# KiCad board Mioke80.kicad_pcb (continued)
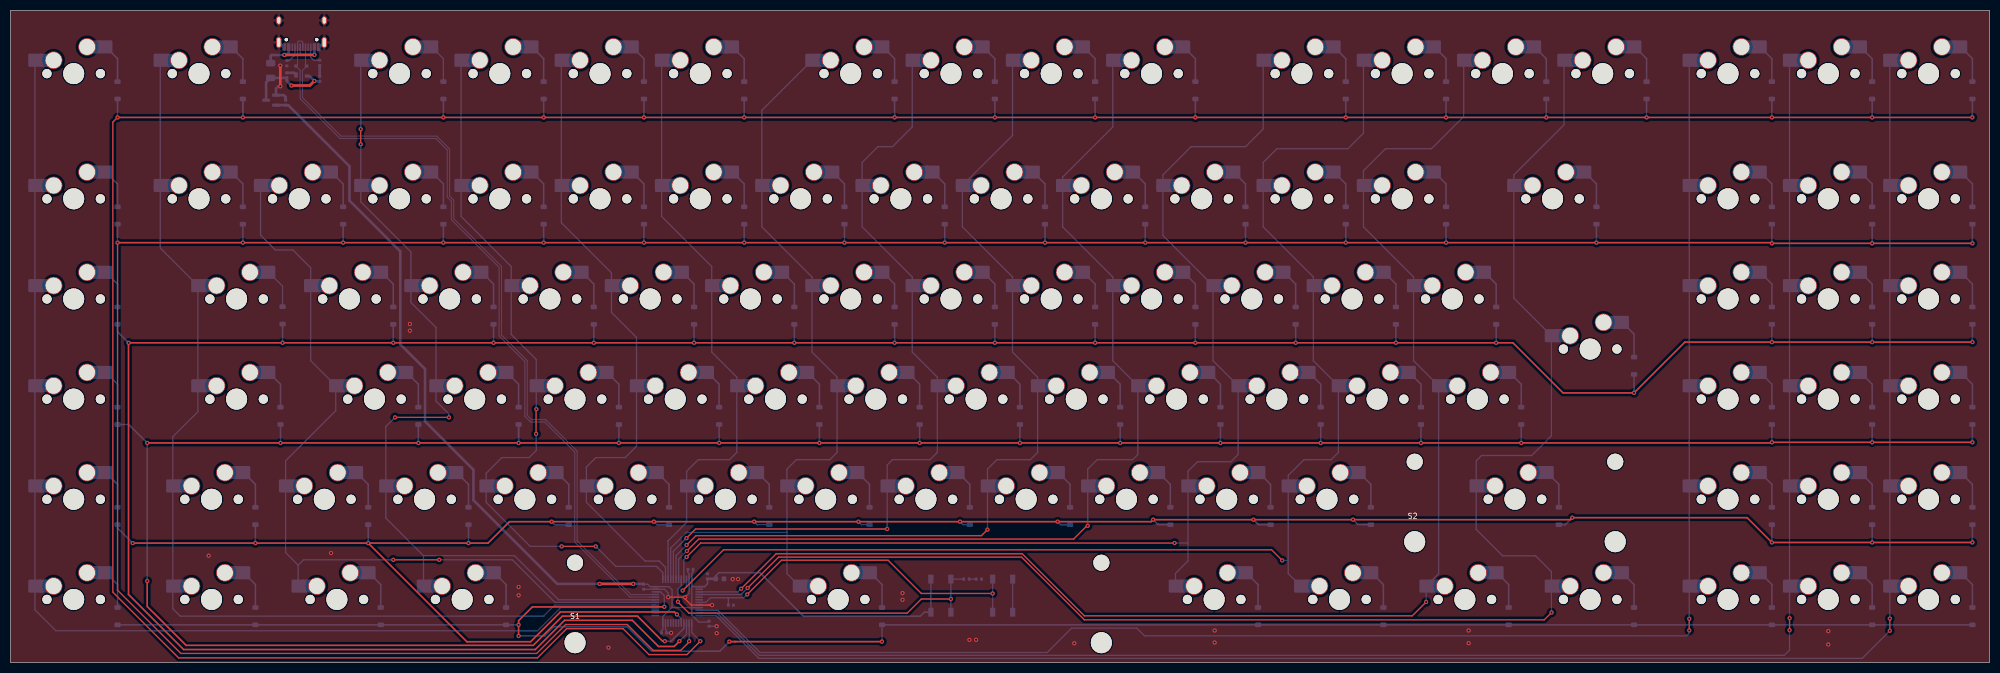
[diagram p0: board, top side]
## Nets
+3V3: BOOT1.1 C2.1 C3.1 C4.1 C5.1 C6.1 C7.1 C10.1 U1.1 U1.9 U1.24 U1.36 U1.48 U3.2
+5V: C8.1 C9.1 F1.2 U2.4 U3.3
GND: C1.2 C2.2 C3.2 C4.2 C5.2 C6.2 C7.2 C8.2 C9.2 C10.2 J1.A1 J1.A12 J1.B1 J1.B12 J1.S1 R1.1 R2.2 R4.2 RST1.2 U1.8 U1.23 U1.35 U1.47 U2.1 U3.1
VBUS: F1.1 J1.A4 J1.A9 J1.B4 J1.B9
BOOT0: BOOT1.2 R3.1 U1.44
COL0: MX1.1 MX18.1 MX36.1 MX54.1 MX71.1 MX88.1 U1.28
COL1: MX2.1 MX19.1 MX37.1 MX55.1 MX72.1 MX89.1 U1.29
COL2: MX20.1 MX38.1 MX56.1 MX73.1 MX90.1 U1.30
COL3: MX3.1 MX21.1 MX39.1 MX57.1 MX74.1 MX91.1 U1.31
COL4: MX4.1 MX22.1 MX40.1 MX58.1 MX75.1 U1.37
COL5: MX5.1 MX23.1 MX41.1 MX59.1 MX76.1 U1.38
COL6: MX6.1 MX24.1 MX42.1 MX60.1 MX77.1 U1.39
COL7: MX7.1 MX25.1 MX43.1 MX61.1 MX78.1 MX92.1 U1.40
COL8: MX8.1 MX26.1 MX44.1 MX62.1 MX79.1 U1.41
COL9: MX9.1 MX27.1 MX45.1 MX63.1 MX80.1 U1.42
COL10: MX10.1 MX28.1 MX46.1 MX64.1 MX81.1 U1.43
COL11: MX11.1 MX29.1 MX47.1 MX65.1 MX82.1 MX93.1 U1.45
COL12: MX12.1 MX30.1 MX48.1 MX66.1 MX83.1 MX94.1 U1.46
COL13: MX13.1 MX31.1 MX49.1 MX67.1 MX95.1 U1.3
COL14: MX14.1 MX32.1 MX50.1 MX84.1 MX96.1 U1.4
COL15: MX15.1 MX33.1 MX51.1 MX68.1 MX85.1 MX97.1 U1.10
COL16: MX16.1 MX34.1 MX52.1 MX69.1 MX86.1 MX98.1 U1.11
COL17: MX17.1 MX35.1 MX53.1 MX70.1 MX87.1 MX99.1 U1.12
D+: J1.A6 J1.B6 U1.33 U2.3
D-: J1.A7 J1.B7 U1.32 U2.2
NRST: C1.1 RST1.1 U1.7
ROW0: D1.1 D2.1 D3.1 D4.1 D5.1 D6.1 D7.1 D8.1 D9.1 D10.1 D11.1 D12.1 D13.1 D14.1 D15.1 D16.1 D17.1 U1.13
ROW1: D18.1 D19.1 D20.1 D21.1 D22.1 D23.1 D24.1 D25.1 D26.1 D27.1 D28.1 D29.1 D30.1 D31.1 D32.1 D33.1 D34.1 D35.1 U1.14
ROW2: D36.1 D37.1 D38.1 D39.1 D40.1 D41.1 D42.1 D43.1 D44.1 D45.1 D46.1 D47.1 D48.1 D49.1 D50.1 D51.1 D52.1 D53.1 U1.15
ROW3: D54.1 D55.1 D56.1 D57.1 D58.1 D59.1 D60.1 D61.1 D62.1 D63.1 D64.1 D65.1 D66.1 D67.1 D68.1 D69.1 D70.1 U1.16
ROW4: D71.1 D72.1 D73.1 D74.1 D75.1 D76.1 D77.1 D78.1 D79.1 D80.1 D81.1 D82.1 D83.1 D84.1 D85.1 D86.1 D87.1 U1.17
ROW5: D88.1 D89.1 D90.1 D91.1 D92.1 D93.1 D94.1 D95.1 D96.1 D97.1 D98.1 D99.1 U1.34
Net-(D1-A): D1.2 MX1.2
Net-(D2-A): D2.2 MX2.2
Net-(D3-A): D3.2 MX3.2
Net-(D4-A): D4.2 MX4.2
Net-(D5-A): D5.2 MX5.2
Net-(D6-A): D6.2 MX6.2
Net-(D7-A): D7.2 MX7.2
Net-(D8-A): D8.2 MX8.2
Net-(D9-A): D9.2 MX9.2
Net-(D10-A): D10.2 MX10.2
Net-(D11-A): D11.2 MX11.2
Net-(D12-A): D12.2 MX12.2
Net-(D13-A): D13.2 MX13.2
Net-(D14-A): D14.2 MX14.2
Net-(D15-A): D15.2 MX15.2
Net-(D16-A): D16.2 MX16.2
Net-(D17-A): D17.2 MX17.2
Net-(D18-A): D18.2 MX18.2
Net-(D19-A): D19.2 MX19.2
Net-(D20-A): D20.2 MX20.2
Net-(D21-A): D21.2 MX21.2
Net-(D22-A): D22.2 MX22.2
Net-(D23-A): D23.2 MX23.2
Net-(D24-A): D24.2 MX24.2
Net-(D25-A): D25.2 MX25.2
Net-(D26-A): D26.2 MX26.2
Net-(D27-A): D27.2 MX27.2
Net-(D28-A): D28.2 MX28.2
Net-(D29-A): D29.2 MX29.2
Net-(D30-A): D30.2 MX30.2
Net-(D31-A): D31.2 MX31.2
Net-(D32-A): D32.2 MX32.2
Net-(D33-A): D33.2 MX33.2
Net-(D34-A): D34.2 MX34.2
Net-(D35-A): D35.2 MX35.2
Net-(D36-A): D36.2 MX36.2
Net-(D37-A): D37.2 MX37.2
Net-(D38-A): D38.2 MX38.2
Net-(D39-A): D39.2 MX39.2
Net-(D40-A): D40.2 MX40.2
Net-(D41-A): D41.2 MX41.2
Net-(D42-A): D42.2 MX42.2
Net-(D43-A): D43.2 MX43.2
Net-(D44-A): D44.2 MX44.2
Net-(D45-A): D45.2 MX45.2
Net-(D46-A): D46.2 MX46.2
Net-(D47-A): D47.2 MX47.2
Net-(D48-A): D48.2 MX48.2
Net-(D49-A): D49.2 MX49.2
Net-(D50-A): D50.2 MX50.2
Net-(D51-A): D51.2 MX51.2
Net-(D52-A): D52.2 MX52.2
Net-(D53-A): D53.2 MX53.2
Net-(D54-A): D54.2 MX54.2
Net-(D55-A): D55.2 MX55.2
Net-(D56-A): D56.2 MX56.2
Net-(D57-A): D57.2 MX57.2
Net-(D58-A): D58.2 MX58.2
Net-(D59-A): D59.2 MX59.2
Net-(D60-A): D60.2 MX60.2
Net-(D61-A): D61.2 MX61.2
Net-(D62-A): D62.2 MX62.2
Net-(D63-A): D63.2 MX63.2
Net-(D64-A): D64.2 MX64.2
Net-(D65-A): D65.2 MX65.2
Net-(D66-A): D66.2 MX66.2
Net-(D67-A): D67.2 MX67.2
Net-(D68-A): D68.2 MX68.2
Net-(D69-A): D69.2 MX69.2
Net-(D70-A): D70.2 MX70.2
Net-(D71-A): D71.2 MX71.2
Net-(D72-A): D72.2 MX72.2
Net-(D73-A): D73.2 MX73.2
Net-(D74-A): D74.2 MX74.2
Net-(D75-A): D75.2 MX75.2
Net-(D76-A): D76.2 MX76.2
Net-(D77-A): D77.2 MX77.2
Net-(D78-A): D78.2 MX78.2
Net-(D79-A): D79.2 MX79.2
Net-(D80-A): D80.2 MX80.2
Net-(D81-A): D81.2 MX81.2
Net-(D82-A): D82.2 MX82.2
Net-(D83-A): D83.2 MX83.2
Net-(D84-A): D84.2 MX84.2
Net-(D85-A): D85.2 MX85.2
Net-(D86-A): D86.2 MX86.2
Net-(D87-A): D87.2 MX87.2
Net-(D88-A): D88.2 MX88.2
Net-(D89-A): D89.2 MX89.2
Net-(D90-A): D90.2 MX90.2
Net-(D91-A): D91.2 MX91.2
Net-(D92-A): D92.2 MX92.2
Net-(D93-A): D93.2 MX93.2
Net-(D94-A): D94.2 MX94.2
Net-(D95-A): D95.2 MX95.2
Net-(D96-A): D96.2 MX96.2
Net-(D97-A): D97.2 MX97.2
Net-(D98-A): D98.2 MX98.2
Net-(D99-A): D99.2 MX99.2
Net-(J1-CC1): J1.A5 R1.2
Net-(J1-CC2): J1.B5 R2.1
Net-(R3-Pad2): R3.2 R4.1

Pads without a net: J1 A8 B8; U1 2 5 6 18 19 20 21 22 25 26 27

## Via types
v1: diameter 0.8, hole 0.4, Top to Bottom, 166 vias

## Routing (per net, layer and track width the routed paths; a pad name or vN(x,y) marks a point on that pad's centre or on a via; arc(x,y) is an arc through that point)
+3V3: length 221.5
  Top w0.5: v1(111.95,14.95) v1(118.3,14.95)
  Bottom w0.25: U1.48 129.44,14.68 ; U1.48 129.44,16.96 129.68,17.21 C6.1 ; U1.48 129.45,15.82 ; 129.44,14.68 129.69,14.42 U1.1 ; 129.44,14.68 129.44,10.44 ; C5.1 132.56,7.69 130.78,7.69 129.44,9.03 129.44,10.44 ; C4.1 123.68,5.63 123.68,6.08 123.93,6.33 U1.24 123.93,8.32 123.94,8.32 123.94,8.77 125.59,10.42 ; 129.44,10.44 129.45,10.42 ; 129.45,10.42 U1.9 ; 129.45,10.42 125.59,10.42 ; 125.59,10.42 125.69,10.53 125.69,13.83 125.1,14.42 U1.36 121.51,14.42 121.05,14.89 C7.1 ; BOOT1.1 BOOT1.1
  Bottom w0.3: C3.1 132.42,14.95 131.9,14.42 U1.1 ; BOOT1.1 173.62,9.56 172.86,8.8 150.66,8.8 142.38,17.08 134.58,17.08 134,16.5 C2.1 133.99,15.91
  Bottom w0.5: C7.1 120.22,14.95 v1(118.3,14.95) ; v1(111.95,14.95) 103.87,14.95 87.95,30.87 87.95,36.66 78.75,45.86 78.75,55.82 74.05,60.51 74.05,78.19 64.4,87.84 64.4,94.37 52.77,106 C10.1 U3.2 ; C3.1 133.99,15.91
+5V: length 17.1
  Top w0.5: v1(57.73,110.6) 56.86,109.74 v1(53.38,109.74)
  Bottom w0.5: U2.4 56.79,111.54 v1(57.73,110.6) 57.8,110.53 C9.1 ; v1(53.38,109.74) 52.49,110.63 C8.1 52.48,111.19 F1.2 48.56,110.33 U3.3
GND: length 50.2
  Top w0.25: v1(124.95,12.43) 128.13,12.43 v1(128.18,12.38) 128.18,12.08 129.33,10.92 v1(133.28,10.92) 132.62,10.92
  Top w0.5: v1(51.25,109.59) 51.27,109.61 51.27,113.51 v1(51.25,113.52)
  Bottom w0.25: C5.2 134.14,6.9 v1(134.15,6.89) ; U1.8 v1(133.28,10.92) ; 124.95,12.31 v1(124.95,12.43) 124.95,13.22 124.25,13.92 U1.35 120.29,13.92 C7.2 ; v1(128.18,12.38) 128.94,13.14 U1.47 128.94,16.88 128.69,17.13 128.69,17.66 C6.2 ; v1(125.51,5.62) C4.2 124.65,6.06 124.43,6.27 U1.23 ; RST1.2 RST1.2
  Bottom w0.5: 59.45,117.94 J1.S1 58.69,117.02 J1.A12 ; J1.S1 51.88,117.02 J1.A1 ; C9.2 R2.2 ; C8.2 53.84,112.15 U2.1 ; v1(51.25,109.59) 50.89,109.59 50.44,109.14 U3.1 51.92,107.9 52.27,107.56 C10.2
  vias: v1(37.65,20.31) v1(60.89,20.81) v1(75.88,64.38) v1(75.88,63.11) v1(96.53,14.37) v1(96.53,12.78) v1(113.6,2.83) v1(134.17,5.57) v1(137.22,15.86) v1(138.24,15.86) v1(169.48,13.19) v1(169.48,11.92) v1(182.18,4.3) v1(183.45,4.3) v1(202.1,3.65) v1(228.79,6.08) v1(228.79,3.8) v1(277.05,6.08) v1(277.05,3.67) v1(345.38,5.96) v1(345.38,3.41)
VBUS: length 13.4
  Top w0.5: v1(52.03,115.56) v1(57.74,115.56)
  Bottom w0.5: v1(57.74,115.56) 57.75,115.56 57.75,115.86 57.74,115.87 J1.A9 ; J1.A4 52.84,115.87 52.49,115.53 52.06,115.53 v1(52.03,115.56) 52,115.53 49.57,115.53 49.42,115.38 F1.1
BOOT0: length 67.2
  Top w0.25: v1(126.81,11.54) 126.81,11.48 128.9,9.38 170.37,9.38 173.06,12.08 v1(178.67,12.08)
  Bottom w0.25: v1(126.81,11.54) 126.81,13.96 127.43,14.59 U1.44 ; BOOT1.2 BOOT1.2 181.11,15.86 R3.1
COL0: length 225.9
  Bottom w0.25: MX1.1 MX88.1 4.64,10.01 8.62,6.03 100.11,6.03 104.49,10.42 U1.28
COL1: length 202.4
  Bottom w0.25: U1.29 103.41,10.92 101.3,8.81 32.24,8.81 30.83,10.22 MX89.1 MX72.1 30.83,42.94 35.6,47.71 MX55.1 MX37.1 28.45,78.82 MX19.1 MX2.1
COL2: length 160.6
  Top w0.25: v1(72.72,19.53) v1(81.45,19.53)
  Bottom w0.25: U1.30 103.45,11.42 95.34,19.53 v1(81.45,19.53) ; MX20.1 47.5,81.28 50.33,78.45 53.65,78.45 57.03,75.08 MX38.1 57.03,57.39 MX56.1 61.79,47.89 52.27,38.36 MX73.1 52.27,20.9 54.65,18.52 ; v1(72.72,19.53) 55.66,19.53 54.65,18.52 ; MX90.1 54.65,18.52
COL3: length 168.4
  Top w0.25: v1(66.53,101.44) v1(66.53,98.56) ; v1(73.06,46.62) v1(83.3,46.62)
  Bottom w0.25: MX3.1 66.55,101.46 v1(66.53,101.44) ; 78.46,20.32 71.31,27.47 MX74.1 71.31,33.58 71.31,44.87 v1(73.06,46.62) ; 78.46,20.32 MX91.1 ; 78.46,20.32 95.74,20.32 104.14,11.92 U1.31 ; v1(66.53,98.56) 66.55,98.54 MX21.1 66.55,87.6 76.08,78.07 MX39.1 76.08,68.47 80.84,63.71 MX57.1 80.84,49.71 83.3,47.26 v1(83.3,46.62)
COL4: length 137.4
  Top w0.25: v1(99.91,48.17) 99.86,48.12 v1(99.86,43.47) ; v1(104.71,22.08) v1(111.19,22.08)
  Bottom w0.25: v1(104.71,22.08) 98.74,22.08 90.36,30.46 MX75.1 90.36,35.98 93.36,38.98 98.52,38.98 99.89,40.35 99.89,43.44 v1(99.86,43.47) 99.89,43.5 ; v1(111.19,22.08) 115,18.27 122.74,18.27 123.93,17.08 U1.37 ; MX4.1 MX22.1 85.6,84.83 95.13,75.31 MX40.1 95.13,62.39 99.89,57.63 MX58.1 99.89,48.19 v1(99.91,48.17) 99.89,48.15
COL5: length 119.6
  Bottom w0.25: U1.38 124.43,18.11 123.25,19.29 120.58,19.29 109.42,30.46 MX76.1 109.42,37.17 111.22,38.98 116.77,38.98 118.94,41.14 MX59.1 118.94,61.81 114.18,66.58 MX41.1 114.18,74.12 104.65,83.64 104.65,114.54
COL6: length 113.5
  Bottom w0.25: U1.39 124.93,23.13 128.47,26.66 MX77.1 128.47,36.38 130.67,38.58 136.62,38.58 137.99,39.95 MX60.1 137.99,54.27 133.23,59.04 MX42.1 133.23,75.31 123.7,84.83 123.7,114.54
COL7: length 147.8
  Bottom w0.25: MX92.1 147.52,16.91 147.52,24.75 ; 147.52,24.75 128.43,24.75 125.43,21.76 U1.40 ; 147.52,24.75 MX78.1 147.52,36.77 149.32,38.58 155.67,38.58 157.04,39.95 MX61.1 157.04,54.27 152.28,59.04 MX43.1 152.28,73.32 142.75,82.85 MX25.1 142.75,105.02 MX7.1
COL8: length 156.5
  Top w0.25: v1(166.56,25.39) 130.16,25.39 v1(128.42,23.65)
  Bottom w0.25: v1(166.56,25.39) 166.56,25.39 MX79.1 166.56,37.57 167.58,38.58 174.72,38.58 176.09,39.95 MX62.1 176.09,54.27 171.33,59.04 MX44.1 171.33,73.32 161.8,82.85 MX26.1 161.8,95.12 164.8,98.11 167.58,98.11 171.33,101.86 MX8.1 ; U1.41 125.93,21.16 v1(128.42,23.65)
COL9: length 172.5
  Top w0.25: v1(128.46,22.34) 130.24,24.12 184.47,24.12 v1(185.62,25.27)
  Bottom w0.25: 185.61,25.26 v1(185.62,25.27) MX80.1 185.62,36.77 187.42,38.58 193.77,38.58 195.14,39.95 MX63.1 195.14,54.27 190.38,59.04 MX45.1 190.38,73.32 180.85,82.85 MX27.1 190.38,100.25 MX9.1 ; v1(128.46,22.34) 126.43,20.31 U1.42
COL10: length 190.6
  Top w0.25: v1(128.51,21.21) 130.78,23.48 201.99,23.48 204.49,25.98 v1(204.67,25.98)
  Bottom w0.25: v1(128.51,21.21) 126.93,19.64 U1.43 ; 204.66,26.15 204.67,26.14 v1(204.67,25.98) MX81.1 204.67,36.77 206.47,38.58 213.22,38.58 214.19,39.55 MX64.1 209.43,57.39 MX46.1 209.43,73.32 199.9,82.85 MX28.1 199.9,92.33 209.43,101.85 MX10.1
COL11: length 229.3
  Top w0.25: v1(128.45,20.06) 131.11,22.72 v1(221.17,22.72)
  Bottom w0.25: MX93.1 221.33,16.93 223.72,19.31 223.72,22.72 ; v1(128.45,20.06) 127.93,19.54 U1.45 ; 238,114.54 238,101.47 234.65,98.11 224.33,98.11 218.95,92.73 MX29.1 218.95,81.2 MX47.1 228.48,57.39 MX65.1 233.24,39.55 231.87,38.18 225.52,38.18 223.72,36.38 MX82.1 223.72,22.72 ; 223.72,22.72 v1(221.17,22.72)
COL12: length 251.3
  Top w0.25: v1(241.62,19.42) 239.58,21.45 135.48,21.45 v1(127.71,13.68) 127.71,13.76
  Bottom w0.25: MX94.1 242.77,16.91 242.77,19.42 ; 242.77,19.42 v1(241.62,19.42) ; 242.77,19.42 MX83.1 242.77,35.58 245.76,38.58 250.92,38.58 252.29,39.95 MX66.1 247.53,57.39 MX48.1 247.53,73.32 238,82.85 238,95.12 240.6,97.71 254.09,97.71 257.05,100.67 MX12.1 ; v1(127.71,13.68) 128.44,14.41 U1.46
COL13: length 270.3
  Top w0.25: 268.86,11.35 268.96,11.45 v1(268.96,11.51) 266.33,8.88 204.02,8.88 192.21,20.69 145.48,20.69 v1(138.81,14.02)
  Bottom w0.25: U1.3 138.21,13.42 v1(138.81,14.02) 138.87,14.08 ; MX13.1 276.1,103.85 269.97,97.71 261.24,97.71 257.05,93.53 MX31.1 257.05,82.85 266.58,73.32 MX49.1 266.58,57.39 MX67.1 271.34,16.91 MX95.1 v1(268.96,11.51)
COL14: length 303.4
  Top w0.25: v1(292.8,9.51) 291.4,8.11 204.02,8.11 192.1,20.04 145.93,20.04 v1(140.06,14.17)
  Bottom w0.25: MX14.1 295.15,102.26 285.63,92.73 MX32.1 285.63,69.3 MX50.1 292.77,43.12 289.02,39.37 279.49,39.37 278.48,38.36 MX84.1 278.48,25.3 283.51,20.28 289.77,20.28 292.77,17.28 MX96.1 292.77,9.54 v1(292.8,9.51) ; v1(140.06,14.17) 138.81,12.92 U1.4
COL15: length 303.2
  Top w0.25: v1(318.96,8.32) v1(318.96,6.09)
  Bottom w0.25: v1(318.96,6.09) 318.96,5.57 318.45,5.07 215.45,5.07 213.98,6.54 201.61,6.54 196.96,1.89 142.43,1.89 134.4,9.92 U1.10 ; MX15.1 MX97.1 318.96,8.32 v1(318.96,8.32)
COL16: length 323.1
  Top w0.25: v1(338.01,8.42) v1(338.01,6.14) 338.01,6.13
  Bottom w0.25: v1(338.01,6.14) 338.01,2.38 336.99,1.36 142.28,1.36 134.21,9.42 U1.11 ; MX16.1 MX98.1 v1(338.01,8.42) 338.01,8.42
COL17: length 340.3
  Top w0.25: v1(357.06,8.35) 357.06,6.04 v1(357.06,6.03)
  Bottom w0.25: v1(357.06,6.03) 351.8,0.77 142.2,0.77 134.05,8.92 U1.12 ; MX17.1 MX99.1 v1(357.06,8.35) 357.06,8.34
D+: length 149.5
  Bottom w0.2: U1.33 121.42,12.92 121.39,12.9 117.87,12.9 107.65,23.12 107.65,40.21 101.68,46.19 98.99,46.19 98.18,46.99 98.18,57.41 93.28,62.31 93.28,75.34 84.21,84.41 84.21,87.91 83.42,88.7 83.42,97.67 80.98,100.11 62.79,100.11 55.47,107.43 55.47,112.62 56.25,113.39 U2.3 56.04,113.65 56.04,115.61 ; J1.B6 56.04,115.61 ; 56.04,115.61 55.33,115.61 55.04,115.9 J1.A6
D-: length 151.2
  Bottom w0.2: J1.A7 55.54,117.99 55.36,118.17 54.7,118.17 54.54,118.01 J1.B7 54.54,113.73 U2.2 54.25,113.39 55.02,112.62 55.02,107.24 62.61,99.66 80.79,99.66 82.97,97.48 82.97,88.51 83.76,87.73 83.76,84.22 92.83,75.15 92.83,62.12 97.73,57.22 97.73,46.81 98.8,45.73 101.49,45.73 107.2,40.02 107.2,22.93 117.69,12.45 121.39,12.45 121.42,12.42 U1.32
NRST: length 69.6
  Top w0.25: v1(139.98,12.95) 139.89,13.03 139.89,13.07 140.1,13.07 146.47,19.44 166.73,19.44 173.05,13.12 v1(186.6,13.12)
  Bottom w0.25: v1(139.98,12.95) 139.33,12.31 136.33,12.31 ; 136.33,12.31 136.39,12.25 C1.1 ; 136.33,12.31 132.98,12.31 132.09,11.42 U1.7 ; RST1.1 RST1.1
ROW0: length 631.3
  Top w0.25: v1(131.06,4.05) 128.51,1.5 121.31,1.5 116.38,6.43 105.66,6.43 100.11,0.88 31.94,0.88 19.44,13.37 19.44,102.77 v1(20.33,103.67)
  Top w0.3: 372.76,103.67 v1(372.76,103.67) v1(20.33,103.67)
  Bottom w0.25: v1(131.06,4.05) 129.44,5.68 U1.13
  Bottom w0.3: D12.1 272.75,103.73 ; 291.8,103.73 D13.1 ; 101.3,103.73 D4.1 ; v1(334.66,103.67) 334.66,107.11 ; 225.12,103.73 D10.1 ; D5.1 120.35,103.73 ; D7.1 167.97,103.73 ; 310.85,103.73 D14.1 ; 372.76,107.11 372.76,103.69 ; 253.7,103.73 D11.1 ; 353.71,107.11 v1(353.71,103.67) ; D2.1 44.15,103.73 44.15,107.01 ; 139.4,103.73 D6.1 ; D9.1 206.07,103.73 ; D1.1 v1(20.33,103.67) ; D3.1 82.25,103.73 ; 187.02,103.73 D8.1
  vias: v1(44.15,103.67) v1(82.25,103.67) v1(101.3,103.67) v1(120.35,103.67) v1(139.4,103.67) v1(167.97,103.67) v1(187.02,103.67) v1(206.07,103.67) v1(225.12,103.67) v1(253.7,103.67) v1(272.75,103.67) v1(291.8,103.67) v1(310.85,103.67)
ROW1: length 603
  Top w0.25: v1(20.33,79.85) 20.33,13.75 32.36,1.72 99.96,1.72 105.46,7.22 117.17,7.22 122.1,2.3 127.33,2.3 128.94,3.91 v1(128.94,4.05)
  Top w0.3: 20.35,79.87 v1(20.33,79.85) v1(63.2,79.85) v1(82.25,79.85) v1(272.75,79.85) v1(301.32,79.85) 334.52,79.85 v1(334.66,79.72) ; 334.51,79.87 v1(334.66,79.72) ; v1(334.66,79.72) v1(372.76,79.72)
  Bottom w0.25: U1.14 v1(128.94,4.05)
  Bottom w0.3: v1(177.5,79.85) 177.5,83.3 ; v1(139.4,79.85) 139.4,83.3 ; v1(120.35,79.85) 120.35,83.3 ; v1(158.45,79.85) 158.45,83.3 ; v1(334.66,79.72) 334.66,83.16 ; v1(101.3,79.85) 101.3,83.3 ; v1(272.75,79.85) 272.75,83.3 ; v1(196.55,79.85) 196.55,83.3 ; v1(253.7,79.85) 253.7,83.3 ; 353.71,83.16 v1(353.71,79.72) ; v1(63.2,79.85) 63.2,83.3 ; v1(82.25,79.85) 82.25,83.3 ; 301.32,83.3 v1(301.32,79.85) ; v1(372.76,79.72) 372.76,83.16 ; v1(44.15,79.85) 44.15,83.3 ; v1(215.6,79.85) 215.6,83.3 ; v1(234.65,79.85) 234.65,83.3 ; v1(20.33,79.85) 20.33,83.3
ROW2: length 587.9
  Top w0.3: v1(127.09,4.05) 126.09,3.05 123.11,3.05 118.14,8.02 105.27,8.02 99.71,2.46 32.89,2.46 22.41,12.94 22.41,60.8 v1(72.72,60.8) v1(282.27,60.8) 285.45,60.8 294.97,51.28 v1(308.47,51.28) 318.12,60.93 v1(372.76,60.93)
  Bottom w0.25: v1(127.09,4.05) 128.44,5.39 U1.15
  Bottom w0.3: D46.1 v1(225.12,60.8) ; D39.1 v1(91.77,60.8) ; D48.1 v1(263.22,60.8) ; D38.1 v1(72.72,60.8) ; v1(372.76,60.93) 372.76,64.38 ; D45.1 v1(206.07,60.8) ; v1(334.66,60.93) 334.66,64.38 ; v1(22.44,60.79) 20.33,62.9 D36.1 ; D42.1 v1(148.92,60.8) ; D50.1 v1(308.47,51.28) ; D37.1 v1(51.69,60.8) ; D44.1 v1(187.02,60.8) ; D49.1 v1(282.27,60.8) ; D43.1 v1(167.97,60.8) ; D40.1 v1(110.82,60.8) ; D47.1 v1(244.17,60.8) ; 353.71,64.38 v1(353.71,60.93) ; D41.1 v1(129.87,60.8)
ROW3: length 556
  Top w0.3: v1(372.76,41.88) v1(334.66,41.88) 334.53,41.75 v1(77.48,41.75) v1(25.97,41.75) 25.84,41.88 ; v1(25.97,15.48) 25.97,10.65 33.37,3.26 99.31,3.26 104.87,8.81 119.12,8.81 123.89,4.05 v1(124.32,4.05)
  Bottom w0.25: U1.16 127.93,6.48
  Bottom w0.3: D62.1 v1(191.78,41.75) ; v1(124.32,4.05) 125.51,4.05 127.93,6.48 ; D59.1 v1(134.63,41.75) ; D63.1 v1(210.83,41.75) ; D67.1 v1(287.03,41.75) ; D64.1 v1(229.88,41.75) ; v1(25.97,15.48) v1(25.97,41.75) 22.46,45.26 D54.1 ; v1(334.66,41.88) 334.66,45.33 ; D66.1 v1(267.98,41.75) ; 353.71,45.33 v1(353.71,41.88) ; D55.1 v1(51.29,41.75) ; D56.1 v1(77.48,41.75) ; v1(372.76,41.88) 372.76,45.33 ; D58.1 v1(115.58,41.75) ; D65.1 v1(248.93,41.75) ; D61.1 v1(172.73,41.75) ; D60.1 v1(153.68,41.75) ; D57.1 v1(96.53,41.75) D57.1
ROW4: length 481.1
  Top w0.3: v1(126.62,9.13) 126.14,9.61 104.47,9.61 98.81,3.94 86.72,3.94 v1(67.96,22.7) ; 372.76,23.1 372.49,22.83 v1(334.66,22.83) 329.94,27.55 v1(296.73,27.55) 296.35,27.16 v1(236.16,27.16) v1(217.11,27.16) 216.72,26.78 94.8,26.78 90.72,22.7 v1(87.01,22.7) v1(23.21,22.7)
  Bottom w0.25: v1(102.8,26.78) 103.38,26.21 D75.1 ; v1(126.62,9.13) 127.43,8.32 U1.17 ; 257.05,26.21 256.03,26.21 v1(255.08,27.16) ; D76.1 122.81,26.21 v1(122.24,26.78) ; v1(141.29,26.78) 141.86,26.21 D77.1 ; D79.1 180.97,26.21 v1(180.4,26.78) ; v1(161.1,26.78) 161.67,26.21 D78.1
  Bottom w0.3: v1(23.21,22.7) 20.33,25.58 D71.1 ; D72.1 v1(46.53,22.7) ; D74.1 v1(87.01,22.7) ; D81.1 218.06,26.21 v1(217.11,27.16) ; v1(372.76,22.83) 372.76,26.28 ; D83.1 257.05,26.21 ; v1(236.16,27.16) 237.11,26.21 D82.1 ; v1(334.66,22.83) 334.66,26.28 ; D80.1 199.51,26.21 v1(198.94,26.78) ; D73.1 v1(67.96,22.7) ; 353.71,26.28 v1(353.71,22.83) ; v1(296.73,27.55) 295.4,26.21 D84.1
ROW5: length 395.1
  Top w0.3: v1(165.57,3.97) 137.55,3.97 ; v1(124.22,10.58) 99.16,10.58 96.53,7.96 v1(96.53,7.16) v1(96.53,5.04) ; 137.55,3.97 v1(136.59,3.97) ; 137.55,3.97 137.78,3.97
  Bottom w0.25: 165.59,3.97 v1(165.57,3.97) D92.1 ; U1.34 123.51,13.42 124.22,12.71 v1(124.22,10.58)
  Bottom w0.3: v1(96.53,5.04) 101.5,5.04 103.28,6.83 117.17,6.83 121.86,2.15 134.76,2.15 v1(136.59,3.97) ; D88.1 v1(96.53,7.16) ; D92.1 D99.1
Net-(D1-A): length 7.5
  Bottom w0.3: MX1.2 20.33,114.84 D1.2
Net-(D2-A): length 7.5
  Bottom w0.3: MX2.2 44.15,114.84 D2.2
Net-(D3-A): length 7.5
  Bottom w0.25: MX3.2 82.25,114.84 D3.2
Net-(D4-A): length 7.5
  Bottom w0.3: MX4.2 101.3,114.84 D4.2
Net-(D5-A): length 7.5
  Bottom w0.3: MX5.2 120.35,114.84 D5.2
Net-(D6-A): length 7.5
  Bottom w0.3: MX6.2 139.4,114.84 D6.2
Net-(D7-A): length 7.5
  Bottom w0.3: MX7.2 167.97,114.84 D7.2
Net-(D8-A): length 7.5
  Bottom w0.3: D8.2 187.02,114.84 MX8.2
Net-(D9-A): length 7.5
  Bottom w0.3: MX9.2 206.07,114.84 D9.2
Net-(D10-A): length 7.5
  Bottom w0.3: D10.2 225.12,114.84 MX10.2
Net-(D11-A): length 7.5
  Bottom w0.3: D11.2 253.7,114.84 MX11.2
Net-(D12-A): length 7.5
  Bottom w0.3: 270.5,117.08 272.75,114.84 D12.2
Net-(D13-A): length 7.5
  Bottom w0.3: MX13.2 291.8,114.84 D13.2
Net-(D14-A): length 7.5
  Bottom w0.3: D14.2 310.85,114.84 MX14.2
Net-(D15-A): length 7.5
  Bottom w0.3: MX15.2 334.66,114.84 D15.2
Net-(D16-A): length 7.5
  Bottom w0.3: MX16.2 353.71,114.84 D16.2
Net-(D17-A): length 7.5
  Bottom w0.3: D17.2 372.76,114.84 MX17.2
Net-(D18-A): length 7.5
  Bottom w0.3: MX18.2 20.33,91.02 D18.2
Net-(D19-A): length 7.5
  Bottom w0.3: D19.2 44.15,91.02 MX19.2
Net-(D20-A): length 7.5
  Bottom w0.3: MX20.2 63.2,91.02 D20.2
Net-(D21-A): length 7.5
  Bottom w0.3: MX21.2 82.25,91.02 D21.2
Net-(D22-A): length 7.5
  Bottom w0.3: D22.2 101.3,91.02 MX22.2
Net-(D23-A): length 7.5
  Bottom w0.3: D23.2 120.35,91.02 MX23.2
Net-(D24-A): length 7.5
  Bottom w0.3: MX24.2 139.4,91.02 D24.2
Net-(D25-A): length 7.5
  Bottom w0.3: MX25.2 158.45,91.02 D25.2
Net-(D26-A): length 7.5
  Bottom w0.3: 175.25,93.27 177.5,91.02 D26.2
Net-(D27-A): length 7.5
  Bottom w0.3: MX27.2 196.55,91.02 D27.2
Net-(D28-A): length 7.5
  Bottom w0.3: D28.2 215.6,91.02 MX28.2
Net-(D29-A): length 7.5
  Bottom w0.3: MX29.2 234.65,91.02 D29.2
Net-(D30-A): length 7.5
  Bottom w0.3: MX30.2 253.7,91.02 D30.2
Net-(D31-A): length 7.5
  Bottom w0.3: D31.2 272.75,91.02 270.5,93.27
Net-(D32-A): length 7.5
  Bottom w0.3: D32.2 301.32,91.02 MX32.2
Net-(D33-A): length 7.5
  Bottom w0.3: D33.2 334.66,91.02 MX33.2
Net-(D34-A): length 7.5
  Bottom w0.3: D34.2 353.71,91.02 MX34.2
Net-(D35-A): length 7.5
  Bottom w0.3: D35.2 372.76,91.02 MX35.2
Net-(D36-A): length 7.5
  Bottom w0.3: MX36.2 20.33,71.97 D36.2
Net-(D37-A): length 7.6
  Bottom w0.25: MX37.2 51.69,71.58 D37.2
Net-(D38-A): length 7.5
  Bottom w0.3: D38.2 72.72,71.97 MX38.2
Net-(D39-A): length 7.5
  Bottom w0.3: MX39.2 91.77,71.97 D39.2
Net-(D40-A): length 7.5
  Bottom w0.3: D40.2 110.82,71.97 MX40.2
Net-(D41-A): length 7.5
  Bottom w0.3: MX41.2 129.87,71.97 D41.2
Net-(D42-A): length 7.5
  Bottom w0.3: D42.2 148.92,71.97 MX42.2
Net-(D43-A): length 7.5
  Bottom w0.3: MX43.2 167.97,71.97 D43.2
Net-(D44-A): length 7.5
  Bottom w0.3: D44.2 187.02,71.97 MX44.2
Net-(D45-A): length 7.5
  Bottom w0.3: D45.2 206.07,71.97 MX45.2
Net-(D46-A): length 7.5
  Bottom w0.3: D46.2 225.12,71.97 MX46.2
Net-(D47-A): length 7.5
  Bottom w0.3: MX47.2 244.17,71.97 D47.2
Net-(D48-A): length 7.5
  Bottom w0.3: MX48.2 263.22,71.97 D48.2
Net-(D49-A): length 7.5
  Bottom w0.3: MX49.2 282.27,71.97 D49.2
Net-(D50-A): length 7.5
  Bottom w0.3: MX50.2 308.47,62.45 D50.2
Net-(D51-A): length 7.5
  Bottom w0.3: D51.2 334.66,71.97 MX51.2
Net-(D52-A): length 7.5
  Bottom w0.3: D52.2 353.71,71.97 MX52.2
Net-(D53-A): length 7.5
  Bottom w0.3: D53.2 372.76,71.97 MX53.2
Net-(D54-A): length 7.5
  Bottom w0.3: MX54.2 20.33,52.92 D54.2
Net-(D55-A): length 7.5
  Bottom w0.3: D55.2 51.29,52.92 MX55.2
Net-(D56-A): length 7.5
  Bottom w0.3: D56.2 77.48,52.92 MX56.2
Net-(D57-A): length 7.5
  Bottom w0.3: MX57.2 96.53,52.92 D57.2
Net-(D58-A): length 7.5
  Bottom w0.3: D58.2 115.58,52.92 MX58.2
Net-(D59-A): length 7.5
  Bottom w0.3: MX59.2 134.63,52.92 D59.2
Net-(D60-A): length 7.5
  Bottom w0.3: MX60.2 153.68,52.92 D60.2
Net-(D61-A): length 7.5
  Bottom w0.3: D61.2 172.73,52.92 MX61.2
Net-(D62-A): length 7.5
  Bottom w0.3: MX62.2 191.78,52.92 D62.2
Net-(D63-A): length 7.5
  Bottom w0.3: D63.2 210.83,52.92 MX63.2
Net-(D64-A): length 7.5
  Bottom w0.3: MX64.2 229.88,52.92 D64.2
Net-(D65-A): length 7.5
  Bottom w0.3: D65.2 248.93,52.92 MX65.2
Net-(D66-A): length 7.5
  Bottom w0.3: D66.2 267.98,52.92 MX66.2
Net-(D67-A): length 7.5
  Bottom w0.3: D67.2 287.03,52.92 MX67.2
Net-(D68-A): length 7.5
  Bottom w0.3: MX68.2 334.66,52.92 D68.2
Net-(D69-A): length 7.5
  Bottom w0.3: D69.2 353.71,52.92 MX69.2
Net-(D70-A): length 7.5
  Bottom w0.3: MX70.2 372.76,52.92 D70.2
Net-(D71-A): length 7.5
  Bottom w0.3: D71.2 20.33,33.87 MX71.2
Net-(D72-A): length 7.5
  Bottom w0.3: MX72.2 46.53,33.87 D72.2
Net-(D73-A): length 7.5
  Bottom w0.3: D73.2 67.96,33.87 MX73.2
Net-(D74-A): length 7.5
  Bottom w0.3: D74.2 87.01,33.87 MX74.2
Net-(D75-A): length 7.5
  Bottom w0.3: MX75.2 106.06,33.87 D75.2
Net-(D76-A): length 7.5
  Bottom w0.3: MX76.2 125.11,33.87 D76.2
Net-(D77-A): length 7.5
  Bottom w0.3: MX77.2 144.16,33.87 D77.2
Net-(D78-A): length 7.5
  Bottom w0.3: D78.2 163.21,33.87 MX78.2
Net-(D79-A): length 7.5
  Bottom w0.3: MX79.2 182.26,33.87 D79.2
Net-(D80-A): length 7.5
  Bottom w0.3: D80.2 201.31,33.87 MX80.2
Net-(D81-A): length 7.5
  Bottom w0.3: D81.2 220.36,33.87 MX81.2
Net-(D82-A): length 7.5
  Bottom w0.3: MX82.2 239.41,33.87 D82.2
Net-(D83-A): length 7.5
  Bottom w0.3: MX83.2 258.46,33.87 D83.2
Net-(D84-A): length 7.5
  Bottom w0.3: MX84.2 294.18,33.89 D84.2
Net-(D85-A): length 7.5
  Bottom w0.3: D85.2 334.66,33.87 MX85.2
Net-(D86-A): length 7.5
  Bottom w0.3: D86.2 353.71,33.87 MX86.2
Net-(D87-A): length 7.5
  Bottom w0.3: D87.2 372.76,33.87 MX87.2
Net-(D88-A): length 7.5
  Bottom w0.3: MX88.2 20.33,14.82 D88.2
Net-(D89-A): length 7.5
  Bottom w0.3: MX89.2 46.53,14.82 D89.2
Net-(D90-A): length 7.5
  Bottom w0.3: MX90.2 70.34,14.82 D90.2
Net-(D91-A): length 7.5
  Bottom w0.3: D91.2 94.15,14.82 MX91.2
Net-(D92-A): length 7.5
  Bottom w0.3: D92.2 165.59,14.82 MX92.2
Net-(D93-A): length 7.5
  Bottom w0.3: MX93.2 237.03,14.82 D93.2
Net-(D94-A): length 7.5
  Bottom w0.3: MX94.2 260.84,14.82 D94.2
Net-(D95-A): length 7.5
  Bottom w0.3: MX95.2 284.65,14.82 D95.2
Net-(D96-A): length 7.5
  Bottom w0.3: MX96.2 308.47,14.82 D96.2
Net-(D97-A): length 7.5
  Bottom w0.3: D97.2 334.66,14.82 MX97.2
Net-(D98-A): length 7.5
  Bottom w0.3: MX98.2 353.71,14.82 D98.2
Net-(D99-A): length 7.5
  Bottom w0.3: D99.2 372.76,14.82 MX99.2
Net-(J1-CC1): length 3.5
  Bottom w0.25: J1.A5 54.04,115.55 52.98,114.49 R1.2
Net-(J1-CC2): length 3.9
  Bottom w0.25: R2.1 57.59,114.54 57.01,115.12 57.01,117 J1.B5
Net-(R3-Pad2): length 1.3
  Bottom w0.25: R3.2 R4.1

## Copper pours and planes (outline as drawn; the poured copper is in the pictures)
GND on Top, Bottom: -2,127 -2,-5 379,-5 379,127
